# Altium PCB power-v3.4.PcbDoc (part 2 of 3) (continued)
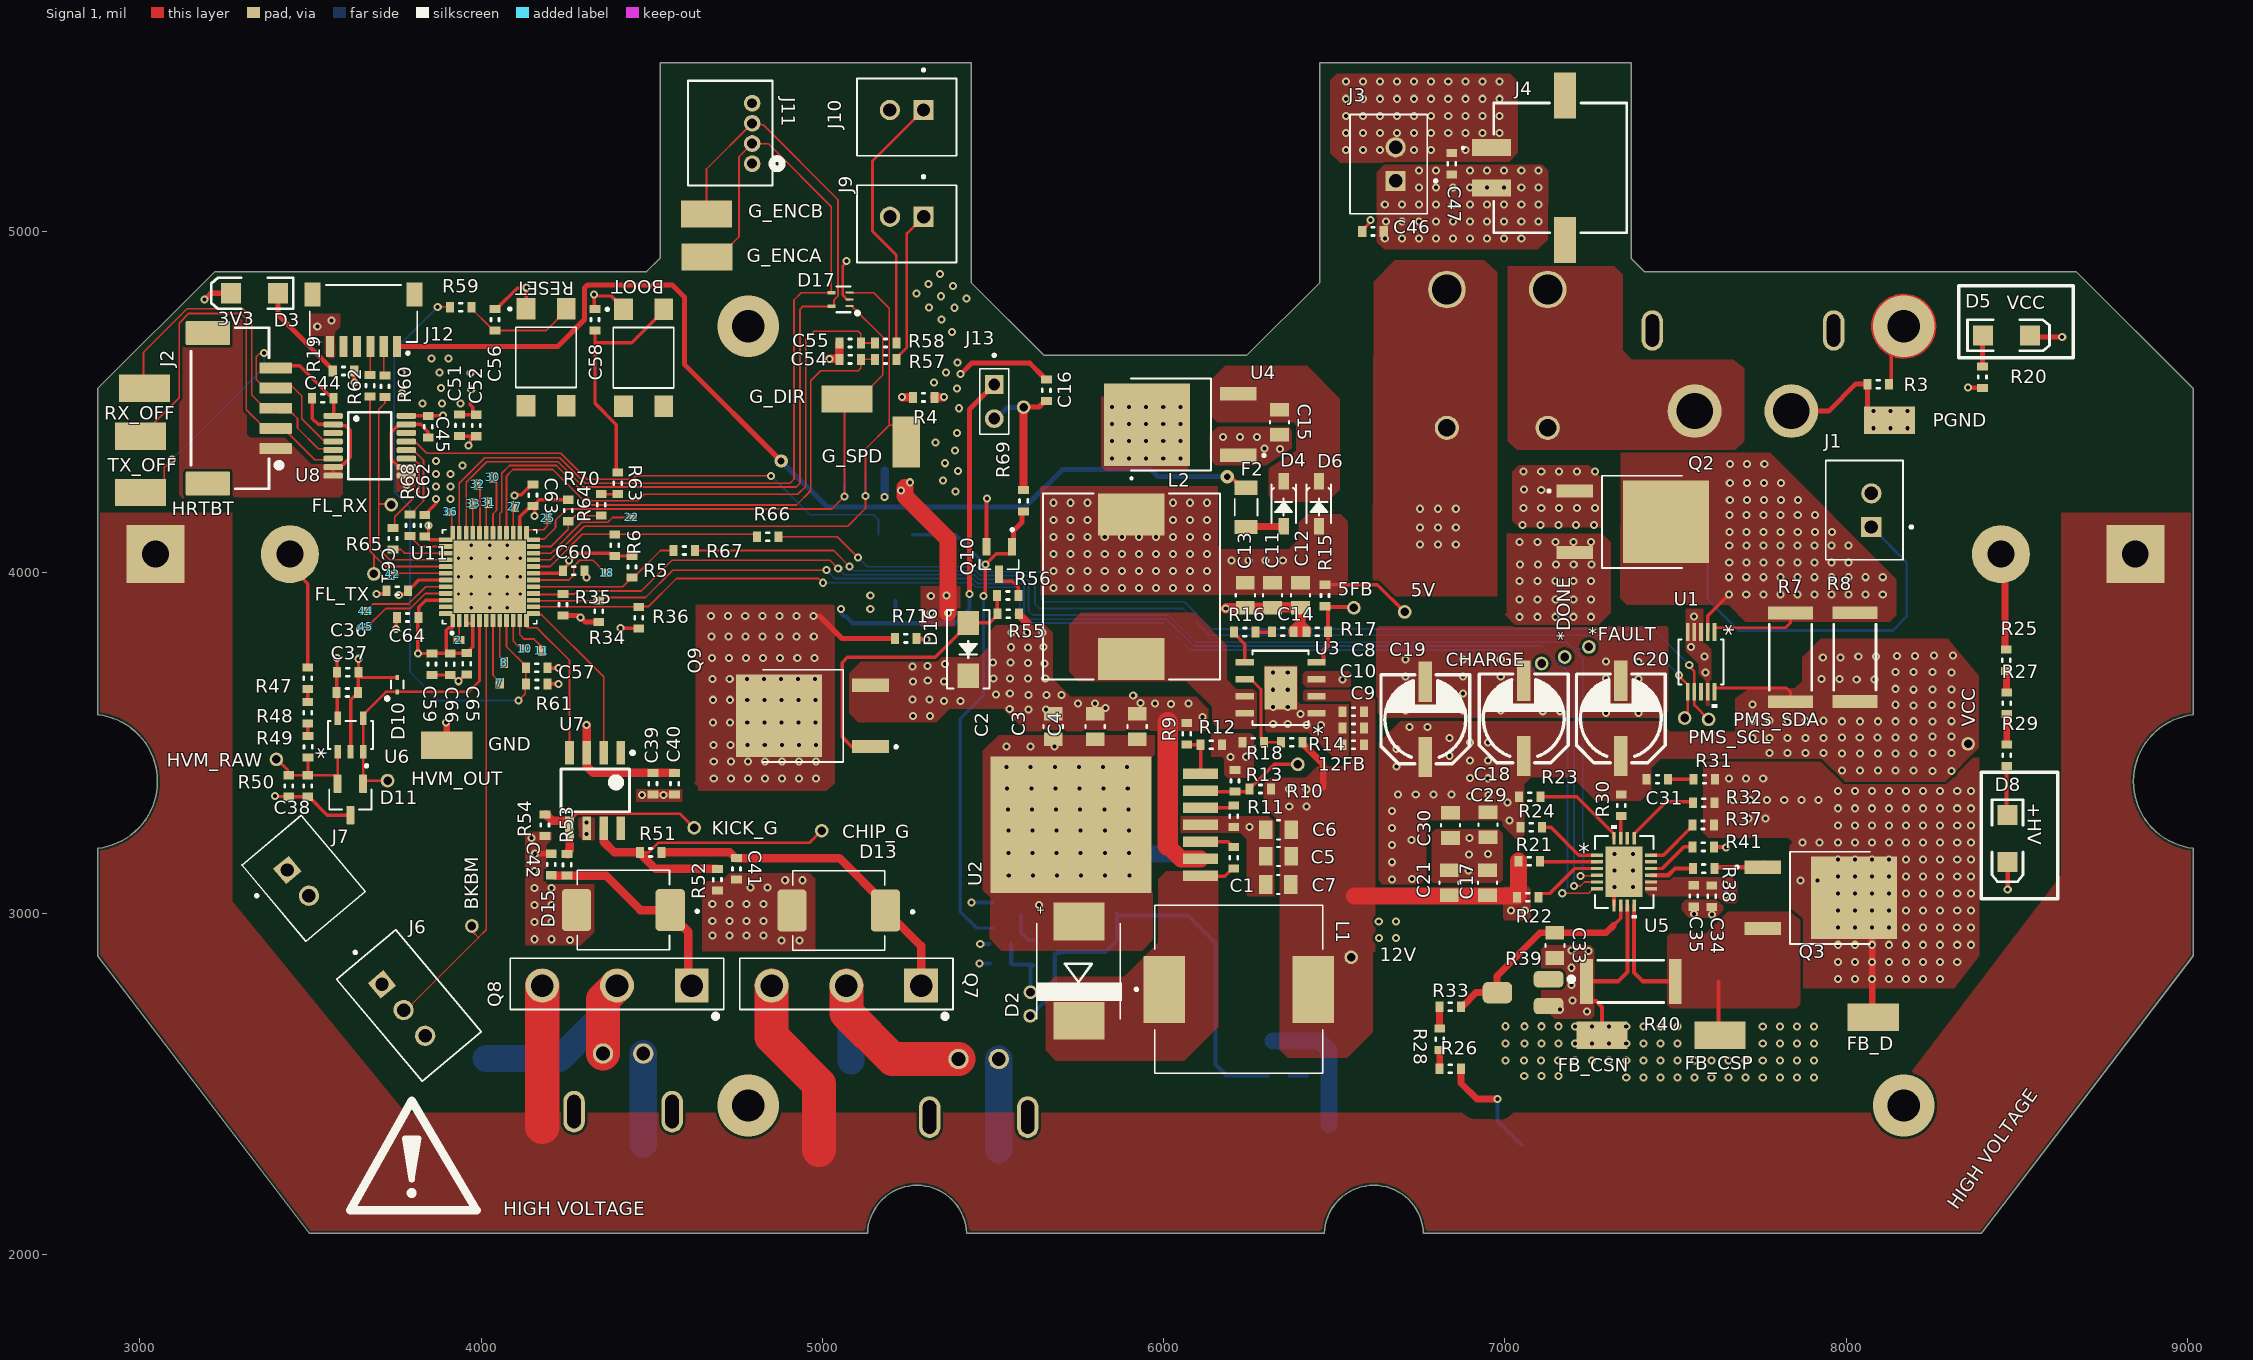
[diagram p0: Signal 1 view]
## Nets (pads, with @x,y where several pads share a name; then routed paths per layer and width w, separated by ;. In a path a pad name is that pad's centre, name@x,y a point inside that pad or via, vN(x,y) a via of type N, cw(c..) or ccw(c..) an arc to the next point about the centre after c; other vN are vias at no path point) (continued)
BREAKBEAM: BKBM.1 J6.2 U11.6 | length 1287.5
  Signal 1 w5: J6.2@3773,2717.43 3779.93,2717.43 3992.53,2930.03 ; BKBM.1@3975.38,2963.79 3975.38,2947.18 3992.53,2930.03 ; 3993,2929.57 3992.53,2930.03 ; U11.6@4015.31,3858.96 4015.31,2952.81 3992.53,2930.03
CH_GND: pad.@8169.12,4721.25 R3.2 | length 756.1
  Signal 1 w10: R3.2@8125.62,4551.54 8132.43,4558.35 8132.43,4684.57 v3(8169.12,4721.25) ; v3@8259.58,4721.25 ccw(c8169.12,4721.25) v3@8259.58,4721.25
CHARGE: CHARGE.1 R36.2 U5.6 U11.14 | length 3964
  Signal 1 w5: U11.14@4162.55,3898.92 R36.2@4461.54,3898.92 ; R36.2@4460.9,3897.66 4462.96,3899.72 4490.24,3899.72 4572.67,3982.15 4989.3,3982.15 v1(5001.88,3969.57) ; v1(7168.34,3059.72) 7245.77,3059.72 7256.7,3070.65 7256.7,3072.2 7257.61,3073.11 U5.6@7270.54,3073.11
  Signal 2 w5: v1(5001.88,3969.57) 5436.8,3969.57 5450.24,3956.14 5573.86,3956.14 5578.55,3951.45 5578.55,3866.84 5593.92,3851.47 6000.67,3851.47 6079.53,3772.61 7016.4,3772.61 7074.68,3714.33 ; CHARGE.1@7107.91,3732.99 7099.98,3732.99 7081.32,3714.33 7074.68,3714.33 ; v1(7168.34,3059.72) 7168.34,3062.23 7183.63,3077.52 7183.63,3605.38 7074.68,3714.33
CHIP: U7.2 U11.13 | length 496.3
  Signal 1 w5: U11.13@4162.55,3879.24 4165.44,3876.35 4176.96,3876.35 4359.53,3693.79 U7.2@4359.53,3471.32
CHIP_GATE: CHIP_G.1 R51.2 R52.1 U7.7 | length 966.7
  Signal 1 w8: R51.2@4465.77,3179.26 4490.59,3179.26 4519.41,3208.09 4963.35,3208.09 CHIP_G.1@4998.3,3243.03
  Signal 1 w25: U7.7@4359.53,3250.85 4359.82,3250.55 4359.82,3210.58 4391.13,3179.26 R51.2@4465.77,3179.26 4465.77,3176.71 4511.53,3130.94 R52.1@4692.73,3130.94
DONE: *DONE.1 R34.2 U5.5 U11.15 | length 3975.2
  Signal 1 w5: U11.15@4162.55,3918.61 4164.68,3916.48 R34.2@4345.12,3916.48 ; R34.2@4345.12,3917.94 4349.06,3917.94 4356.87,3925.75 4360.71,3925.75 4361.55,3926.6 4481.95,3926.6 4561.79,4006.45 v1(5012.74,4006.45) ; v1(7202.94,3080.9) 7221.51,3080.9 7233.4,3092.79 U5.5@7270.54,3092.79
  Signal 2 w5: v1(5012.74,4006.45) 5012.74,4005.98 5036.78,3981.93 5440.71,3981.93 5455,3967.64 5586.16,3967.64 5590.85,3962.95 5590.85,3879.12 5607,3862.97 6008.07,3862.97 6086.93,3784.11 7106.67,3784.11 7175.01,3715.77 ; *DONE.1@7175.49,3752.03 7175.01,3751.55 7175.01,3715.77 ; v1(7202.94,3080.9) 7202.94,3687.84 7175.01,3715.77
EN: C57.2 R59.1 R61.2 U11.9 | length 1794.4
  Signal 1 w5: v1(3873.1,4778.29) R59.1@3907.96,4778.29 ; U11.9@4074.37,3858.96 4074.37,3782.61 4130.65,3726.32 4130.65,3720.86 4130.65,3678.39 R61.2@4130.94,3678.09 ; v1(4110.25,3624.48) 4110.25,3625.42 4129.45,3644.62 R61.2@4129.45,3673.73
  Signal 1 w8: R59.1@3907.96,4778.29 R59.1@3909.19,4777.06
  Signal 2 w5: v1@3874.03,4778.29 v1(3873.1,4778.29) 3745.6,4650.79 3745.6,4236.31 3791.78,4190.13 3791.78,3707.92 3875.22,3624.48 v1(4110.25,3624.48)
FAULT: *FAULT.1 R35.2 U5.4 U11.16 | length 4006
  Signal 1 w5: U11.16@4162.55,3938.29 4165.44,3935.4 R35.2@4227.7,3935.4 ; R35.2@4230.74,3933.39 R35.2@4235.42,3928.7 ; R35.2@4240.09,3936.86 4274.03,3936.86 4282.5,3945.33 4469.74,3945.33 4559.73,4035.32 5022.53,4035.32 v1(5046.71,4011.15) ; v1(7222.33,3109.99) 7223.58,3111.24 7269.3,3111.24 U5.4@7270.54,3112.48
  Signal 2 w5: v1(5046.71,4011.15) 5064.42,3993.43 5445.48,3993.43 5459.77,3979.14 5599.73,3979.14 5604.41,3974.45 5604.41,3887.64 5616.99,3875.06 6014.83,3875.06 6094.28,3795.61 7179.83,3795.61 7207.07,3768.37 ; v1(7222.33,3109.99) 7222.33,3115.03 7228.19,3120.89 7228.19,3747.25 7207.07,3768.37 ; *FAULT.1@7246.65,3781.49 7241.11,3775.95 7214.65,3775.95 7207.07,3768.37
FB: C33.1 R33.1 R39.2 U5.8 | length 638.4
  Signal 1 w10: 7318.02,2965.18 7339.57,2986.73 U5.8@7339.57,3023.77
  Signal 1 w12: R39.2@6976.87,2768.41 R39.2@6978.52,2768.41
  Signal 1 w20: R33.1@6875.54,2728.34 6915.62,2768.41 6976.87,2768.41 6976.87,2817.36 7103.47,2943.96 C33.1@7146.65,2943.96 7296.79,2943.96 7318.02,2965.18
FLASH_RX: FL_RX.1 R60.2 U11.40 | length 697
  Signal 1 w5: R60.2@3718.49,4513.9 3718.49,4496.2 3700.57,4478.29 3700.57,4200.63 ; FL_RX.1@3730.69,4188.02 3718.09,4200.63 3700.57,4200.63 ; U11.40@3896.61,4036.72 3887.75,4036.72 3732.96,4036.72 3700.57,4069.1 3700.57,4200.63
FLASH_TX: FL_TX.1 R62.2 U11.41 | length 749.3
  Signal 1 w5: R62.2@3674.83,4515.51 3674.83,4062.28 3686.41,4050.71 ; FL_TX.1@3685.95,3995.37 3686.41,3995.82 3686.41,4050.71 ; U11.41@3896.61,4017.03 3720.08,4017.03 3686.41,4050.71
GEN_ES1_UNFILT: J9.1 R57.1 | length 451.2
  Signal 1 w8: R57.1@5216.84,4624.17 5216.84,4628.11 5247.87,4659.13 5247.87,4993.32 J9.1@5296.77,5042.23
GEN_ES2_UNFILT: J10.1 R58.1 | length 773.8
  Signal 1 w8: R58.1@5216.84,4672.13 5216.84,4929.82 5146.98,4999.68 5146.98,5205.25 J10.1@5296.67,5354.94
GENEVA_DIR: D17.1 G_DIR.1 J8.5 U11.24 | length 1691.9
  Signal 1 w5: U11.24@4162.55,4095.77 4164.38,4097.6 4185.3,4097.6 4218.4,4130.71 4218.4,4152.31 4251.73,4185.64 5027.82,4185.64 5049.08,4206.9 5049.08,4207.05 v1(5064.99,4222.96) 5064.99,4501.03 G_DIR.1@5071.76,4507.8 5106.6,4507.8 5177,4578.2 5177,4689.71 5086.55,4780.16 D17.1@5079.55,4780.16
  Signal 2 w8: v1(5064.99,4222.96) 5064.99,4258.7 5065.79,4259.5 J8.5@5065.79,4278.24
GENEVA_ENCODER_A: D17.4 G_ENCA.1 J11.2 U11.35 | length 2803.9
  Signal 1 w5: U11.35@3936.57,4116.05 3936.57,4261.42 4011.14,4335.99 4230.39,4335.99 4304.93,4261.45 4905.26,4261.45 4917.26,4273.46 4917.26,4798.29 4938.5,4819.53 D17.4@5026.55,4819.53 5026.55,5071.32 4842.21,5255.66 4795.52,5255.66 J11.2@4794.51,5256.67 4755.91,5218.07 4755.91,4983.54 4696.78,4924.42 G_ENCA.1@4661.94,4924.42
GENEVA_ENCODER_B: D17.5 G_ENCB.1 J11.3 U11.34 | length 2781.4
  Signal 1 w5: U11.34@3956.26,4116.05 3956.26,4264.27 4016.48,4324.49 4225.62,4324.49 4300.16,4249.95 4922.93,4249.95 4934.94,4261.96 4934.94,4771.21 4943.11,4779.38 5025.76,4779.38 D17.5@5026.55,4780.16 5033.55,4780.16 5034.55,4781.16 5034.55,4798.65 5046.05,4810.15 5046.05,5092.29 4826.88,5311.46 4798.77,5311.46 J11.3@4794.51,5315.72 4660.66,5181.87 G_ENCB.1@4660.66,5050.41
GENEVA_END_STOP_1: C54.1 R57.2 U11.28 | length 1669
  Signal 1 w5: U11.28@4074.37,4124.91 4074.37,4282.21 4093.65,4301.49 4209.64,4301.49 4313.68,4197.45 4924.5,4197.45 4966.54,4239.5 4966.54,4561.89 4995.16,4590.51 5105.8,4590.51 5113,4597.71 C54.1@5113,4624.17 R57.2@5153.85,4624.17
GENEVA_END_STOP_2: C55.1 R58.2 U11.29 | length 1800.9
  Signal 1 w5: U11.29@4054.68,4124.91 4054.68,4172.36 4060.28,4177.96 4060.28,4289.97 4083.3,4312.99 4220.86,4312.99 4323.89,4209.96 4459.98,4209.96 4478.56,4228.54 4927.87,4228.54 4951.15,4251.81 4951.15,4681.2 4976.79,4706.84 5105.68,4706.84 5113,4699.52 C55.1@5113,4672.13 R58.2@5153.85,4672.13
GENEVA_SPEED: D17.3 G_SPD.1 J8.4 U11.21 | length 1910.7
  Signal 1 w5: U11.21@4162.55,4036.72 4203.35,4036.72 4302.1,4135.47 5074.36,4135.47 5126.46,4187.57 v1(5126.46,4223.19) 5126.46,4361.55 5195.92,4431.02 ; D17.3@5079.55,4819.53 5150.45,4819.53 5195.92,4774.06 5195.92,4431.02 ; G_SPD.1@5246.43,4382.32 5246.43,4395.06 5210.47,4431.02 5195.92,4431.02
  Signal 2 w8: J8.4@5124.84,4278.24 5126.46,4276.62 v1(5126.46,4223.19)
GND: BOOT.1 C36.1 C37.2 C38.1 C39.1 C40.1 C45.1 C46.1 C47.1 C51.1 C52.1 C53.1 C54.2 C55.2 C56.1 C57.1 C58.1 C59.1 C60.1 C61.1 C62.1 C63.1 C64.1 C65.1 C66.1 D3.2 D10.2 D11.3 D17.2 GND.1 J3.2 J4.1 J5.9 J5.10 J6.3 J7.1 J8.3 J9.2 J10.2 J11.1 J12.6 R4.1 R36.1 R50.2 RESET.1 U6.2 U7.3 U8.9 U8.10 U8.15 U9.3 U9.4 U11.49 | length 2710.9
  Signal 1 w8: v1(5070.36,4912.26) 5070.36,4908.03 5060.05,4897.72 5060.05,4812.35 5072.55,4799.85 D17.2@5079.55,4799.85
  Signal 1 w10: v1(3396.82,3344.11) 3397.59,3343.33 3435.77,3343.33 R50.2@3436.54,3342.56 C38.1@3491.87,3342.56 3495.8,3342.56 3549.78,3288.58 D11.3@3617.23,3288.58 D11.3@3617.42,3288.77 ; U6.2@3617.42,3474.36 U6.2@3617.61,3474.55 3617.61,3576.17 3617.66,3576.22 3617.66,3626.15 3628.84,3637.33 3632.78,3637.33 3639.59,3644.14 C37.2@3639.59,3648.08 3640.18,3648.67 3640.18,3706.54 C36.1@3640.77,3707.13 C36.1@3640.83,3707.19 ; v1(3640.89,3746.85) 3640.83,3746.79 C36.1@3640.83,3707.19 ; v1(3694.18,3937.05) 3716.68,3937.05 3723.49,3943.86 C61.1@3723.49,3946.14 ; v1(3751.17,3833.92) 3752.14,3834.89 3752.14,3866.67 C64.1@3753.11,3867.64 ; D10.2@3754.72,3691.95 3652.01,3691.95 3640.83,3703.13 C36.1@3640.83,3707.19 ; U8.10@3781.03,4308.5 3777.17,4312.36 3755.34,4312.36 3736.74,4330.96 3736.74,4411.04 3751.56,4425.86 3753.7,4425.86 3761.35,4433.5 U8.15@3781.03,4433.5 3822.98,4433.5 3845.45,4411.03 C45.1@3845.45,4395.28 ; C62.1@3835.08,4168.73 3868.49,4202.14 3868.49,4206.79 3871.37,4209.68 v1@3871.37,4213.36 ; C59.1@3856.26,3699.33 C66.1@3909.65,3699.33 3913.58,3699.33 3931.89,3681.03 v1(3933.97,3681.03) 3934.27,3681.03 3954.09,3700.84 C65.1@3958.03,3700.84 ; C51.1@3937.13,4399.46 3979.84,4399.45 3975.91,4399.45 3969.1,4392.64 3969.1,4381.44 3963.18,4375.53 v1(3963.18,4371.84) ; C56.1@4041.08,4771.87 4045.02,4771.87 4105.75,4832.61 4131.04,4832.61 v1(4132.56,4834.13) 4132.56,4772.83 RESET.1@4131.63,4771.9 ; v1(4098.23,4225.46) 4100.84,4228.07 4118.48,4228.07 4148.01,4257.6 C63.1@4151.95,4257.6 ; C57.1@4195.16,3720.86 4196.5,3719.53 v1(4226.47,3719.53) ; C60.1@4303.15,4005.08 4306.17,4002.06 4306.17,3986.97 v1(4308.78,3984.36) ; C58.1@4334.04,4771.87 4331.62,4774.3 v1(4331.62,4814.36) 4335.3,4814.36 4339.81,4809.86 4382.18,4809.86 4417.37,4774.66 BOOT.1@4417.37,4770.72 ; v1(4408.14,3837.05) 4408.86,3836.34 4461.14,3836.34 R36.1@4461.85,3835.62 ; C46.1@6582.38,4999.22 6582.38,5003.15 6603.73,5024.51 6603.73,5029.52 v1(6606.34,5032.13)
  Signal 1 w15: v1(3189.35,4799.49) 3207.77,4817.91 D3.2@3266.85,4817.91 ; U8.10@3781.03,4308.5 3781.99,4307.54 v1(3781.99,4255.88)
  Signal 1 w20: v1(3897.12,3560.47) 3897.12,3559.49 3899.45,3557.16 GND.1@3899.45,3493.39
  Signal 1 w25: v1(4309.65,3553.09) 4309.65,3471.45 U7.3@4309.53,3471.32 4309.82,3471.02 4309.82,3431.18 4328.41,3412.59 C40.1@4567.16,3412.59 ; v1(5020.51,4625.73) 5049.32,4625.73 C54.2@5050.01,4625.04 ; C54.2@5050.01,4624.17 C54.2@5050.01,4625.04 ; C55.2@5050.01,4672.13 C54.2@5050.01,4625.04 ; v1(5233.93,4513.3) 5264.7,4513.3 R4.1@5265.23,4512.77
  Signal 2 w25: v1(5182.47,4220.87) 5182.47,4297.37 J8.3@5183.27,4298.17
  other v1: 5140.6,3892.67 5140.6,3932.77 3868.06,4215.2 3910.11,4215.2 3868.06,4252.04 3910.11,4252.04 3868.06,4288.89 3910.11,4288.89 3945.38,4312.98 3868.06,4325.74 5380.09,4704.11 3520.13,4720.16 3562.39,4737.77 5349.14,4740.63 5387.24,4775.43 5312.6,4776.71 5423.16,4802.25 5348.29,4809.18 5276.16,4816.62 5383.22,4838.76 5311.8,4844.87 5345.48,4874.94 6534.34,5237.87 6584.34,5237.87 6634.34,5237.87 6734.34,5237.87 6784.34,5237.87 6884.34,5237.87 6534.34,5287.87 6584.34,5287.87 6634.34,5287.87 6684.34,5287.87 6734.34,5287.87 6784.34,5287.87 6834.34,5287.87 6884.34,5287.87 6934.34,5287.87 6984.34,5287.87 6534.34,5337.87 6584.34,5337.87 6634.34,5337.87 6684.34,5337.87 6734.34,5337.87 6784.34,5337.87 6834.34,5337.87 6884.34,5337.87 6934.34,5337.87 6984.34,5337.87 6534.34,5387.87 6584.34,5387.87 6634.34,5387.87 6684.34,5387.87 6734.34,5387.87 6784.34,5387.87 6834.34,5387.87 6884.34,5387.87 6934.34,5387.87 6984.34,5387.87 6534.34,5437.87 6584.34,5437.87 6634.34,5437.87 6684.34,5437.87 6734.34,5437.87 6784.34,5437.87 6834.34,5437.87 6884.34,5437.87 6934.34,5437.87 6984.34,5437.87
  other v2: 3971.71,3896.19 4025.15,3896.19 4076.83,3896.19 3934.09,3936.63 3971.71,3936.63 4025.15,3936.63 4076.83,3936.63 4114.8,3936.63 3934.09,3987.51 3971.71,3987.51 4025.15,3987.51 4076.83,3987.51 4114.8,3987.51 3934.09,4041.04 3971.71,4041.04 4025.15,4041.04 4076.83,4041.04 4114.8,4041.04 3971.71,4079.01 4025.15,4079.01 4076.83,4079.01
GND_JETSON: C44.1 J2.1 U8.2 U8.7 U8.8 | length 343.1
  Signal 1 w10: C44.1@3505.26,4501.56 3505.26,4450.69 3522.45,4433.5 U8.2@3566.46,4433.5 3570.32,4429.64 3603.1,4429.64 3617.04,4415.7 3617.04,4337.24 3595.93,4316.14 3593.79,4316.14 3586.15,4308.5 U8.7@3566.46,4308.5 U8.8@3566.46,4283.5
HEARTBEAT: U8.13 U9.6 | length 1530.7
  Signal 1 w5: U8.13@3781.03,4383.5 3785.62,4378.91 3811.31,4378.91 3840.72,4349.49 4233.15,4349.49 4309.69,4272.95 4443,4272.95 4452.97,4282.92 v1(4850.22,4282.92)
  Signal 2 w5: v1(4850.22,4282.92) 4963.93,4169.21 5149.11,4169.21 5164.56,4153.76 5164.56,4110.53 U9.6@5164.91,4110.19
HV-SENSE: D10.1 D11.1 HVM_OUT.1 U6.3 U6.4 U11.5 | length 836.2
  Signal 1 w8: D11.1@3654.63,3380.31 3654.63,3381.91 D11.1@3654.82,3382.09 ; HVM_OUT.1@3725.96,3389.72 3662.44,3389.72 D11.1@3654.82,3382.09 ; U11.5@3995.63,3858.96 3995.63,3681.82 3963.76,3649.95 D10.1@3754.72,3649.95 3721.4,3649.95 3655.01,3583.55 U6.4@3655.01,3572.55 U6.3@3655.01,3474.55 3654.82,3474.36 D11.1@3654.82,3382.09
HV_GATE: R38.2 U5.13 | length 130.9
  Signal 1 w12: U5.13@7428.28,3112.48 7479.05,3112.48 7498.61,3132.04 R38.2@7551.08,3132.04
IO0: R64.1 R70.1 U11.23 | length 241.1
  Signal 1 w5: U11.23@4162.55,4076.09 4205.43,4076.09 4255.68,4126.34 R70.1@4255.68,4149.86 4259.62,4149.86 4276.11,4166.35 4352.42,4166.35 R64.1@4352.49,4166.28
JETSON_HEARTBEAT: HRTBT.1 J2.4 U8.4 | length 1021.1
  Signal 1 w5: HRTBT.1@3001.77,4233.85 3036.61,4233.85 3071.57,4268.81 3071.57,4308.22 v1(3094.51,4331.16) ; v1(3364.51,4642.44) 3361.9,4639.83 3349.33,4639.83 3341.62,4632.12 3341.62,4565.26 3366.85,4540.03 J2.4@3398.34,4540.03 3398.34,4546.3 3445.17,4546.3 3474.75,4516.71 3474.75,4450.43 3537.82,4387.36 3562.61,4387.36 U8.4@3566.46,4383.5
  Signal 2 w5: v1(3094.51,4331.16) 3364.51,4601.15 v1(3364.51,4642.44)
JETSON_RX: R68.2 U8.12 | length 238.7
  Signal 1 w5: U8.12@3781.03,4358.5 3800.95,4358.5 3809.59,4349.86 3810.09,4349.86 3831.58,4328.37 3831.58,4208.98 R68.2@3791.78,4169.18
JETSON_RX_OFFBRD: J2.3 RX_OFF.1 U8.5 | length 1054.5
  Signal 1 w5: RX_OFF.1@3011.04,4553.1 3011.04,4645.21 3138.23,4772.39 3301.6,4772.39 3328.12,4745.88 3328.12,4519.7 3366.85,4480.97 J2.3@3398.34,4480.97 ; J2.3@3398.34,4476.49 3407.11,4467.72 3445.36,4467.72 3462.1,4450.98 3462.1,4423.01 3522.92,4362.2 3562.77,4362.2 U8.5@3566.46,4358.5
  Signal 1 w10: RX_OFF.1@2979.92,4546.71 RX_OFF.1@3005.24,4521.39
JETSON_TX: R65.1 U8.11 | length 248.1
  Signal 1 w5: 3746.94,4142.46 3746.94,4162.83 3818.46,4234.35 3818.46,4316.48 3810.09,4324.86 3809.59,4324.86 3800.95,4333.5 U8.11@3781.03,4333.5
JETSON_TX_OFFBRD: J2.2 TX_OFF.1 U8.6 | length 1178.7
  Signal 1 w5: TX_OFF.1@3002.55,4398.77 3115.34,4511.57 3115.34,4730.41 3143.82,4758.89 3296.01,4758.89 3311.99,4742.92 3311.99,4476.78 3366.85,4421.92 J2.2@3398.34,4421.92 ; J2.2@3398.34,4428.19 3415.01,4428.19 3512.96,4330.24 3563.2,4330.24 U8.6@3566.46,4333.5
KICK: U7.4 U11.12 | length 447
  Signal 1 w5: U11.12@4133.42,3850.1 4133.42,3840.71 4136.31,3837.82 4163.67,3837.82 4259.53,3741.97 U7.4@4259.53,3471.32
KICK_GATE: KICK_G.1 R53.2 R54.1 U7.5 | length 573.5
  Signal 1 w8: U7.5@4259.53,3250.85 4259.53,3271.31 4259.53,3272.5 4279.82,3292.8 4583.39,3292.8 KICK_G.1@4624.44,3251.74
  Signal 1 w25: R54.1@4187.22,3291.05 4189.78,3291.05 4209.23,3271.6 4259.23,3271.6 U7.5@4259.53,3271.31 ; R53.2@4252.25,3174.38 4254.81,3174.38 4255.5,3175.06 4255.5,3181.56 4259.53,3185.59 U7.5@4259.53,3250.85
LT_CSP: FB_CSP.1 Q3.3 R40.2 U5.10 | length 484
  Signal 1 w12: U5.10@7378.94,3023.77 7378.94,2828.01 7405.22,2801.73 R40.2@7499.49,2801.73 ; 7626.15,2799.11 7626.15,2647.89 FB_CSP.1@7630.08,2643.97
Net2_1: 2.1 U11.2 | length 41.7
  Signal 1 w5: 2.1@3934.88,3809.52 3936.57,3811.22 U11.2@3936.57,3850.1 ; 2.1@3935.06,3801.67 2.1@3935.35,3801.38
Net7_1: 7.1 U11.7 | length 192.2
  Signal 1 w5: U11.7@4035,3858.96 4035,3698.71 4054.82,3678.89 7.1@4054.82,3674.95
Net8_1: 8.1 U11.8 | length 128.6
  Signal 1 w5: U11.8@4054.68,3858.96 4054.68,3752.65 4067.64,3739.69 8.1@4067.64,3735.76
Net10_1: 10.1 U11.10 | length 94.1
  Signal 1 w5: U11.10@4094.05,3850.1 4094.05,3798.76 4109.09,3783.72 4120.92,3783.72 10.1@4127.73,3776.91
Net11_1: 11.1 U11.11 | length 111.6
  Signal 1 w5: U11.11@4113.74,3850.1 4113.74,3817.91 4127.11,3804.53 4155.27,3804.53 11.1@4178.14,3781.66
Net18_1: 18.1 U11.18 | length 259.3
  Signal 1 w5: U11.18@4162.55,3977.66 4257.47,3977.66 4271.66,3991.84 4271.66,4017.25 4289.54,4035.14 4327.93,4035.14 4364.18,3998.89 18.1@4368.12,3998.89
Net22_1: 22.1 U11.22 | length 322.4
  Signal 1 w5: U11.22@4162.55,4056.4 4204.91,4056.4 4295.47,4146.97 4371.34,4146.97 4385.36,4160.99 22.1@4441.61,4160.99
Net25_1: 25.1 U11.25 | length 88.8
  Signal 1 w5: U11.25@4133.42,4124.91 4183.44,4124.91 4194.4,4135.87 4194.4,4158.5 25.1@4194.84,4158.94
Net27_1: 27.1 U11.27 | length 70.2
  Signal 1 w5: U11.27@4094.05,4124.91 4094.05,4187.64 27.1@4099.31,4192.9
Net30_1: 30.1 U11.30 | length 162.4
  Signal 1 w5: 30.1@4034.95,4278.66 4034.95,4274.73 4045.4,4264.28 4045.4,4181.67 4035,4171.27 U11.30@4035,4124.91
Net31_1: 31.1 U11.31 | length 82.8
  Signal 1 w5: U11.31@4015.31,4124.91 4015.31,4198.73 31.1@4021.65,4205.06
Net32_1: 32.1 U11.32 | length 144.7
  Signal 1 w5: 32.1@3988.58,4267.69 32.1@3994.03,4262.23 ; 32.1@3990.01,4258.58 3996.76,4251.83 3996.76,4126.05 U11.32@3995.63,4124.91
Net33_1: 33.1 U11.33 | length 77.2
  Signal 1 w5: U11.33@3975.94,4124.91 3975.94,4201.04 33.1@3976.69,4201.8
Net36_1: 36.1 U11.36 | length 55.4
  Signal 1 w5: 36.1@3909.52,4177.3 3914.11,4172.71 3914.11,4127.68 U11.36@3916.89,4124.91
Net42_1: 42.1 U11.42 | length 292.1
  Signal 1 w5: 42.1@3734.29,4001.41 42.1@3750.33,3985.37 ; 42.1@3749.26,3997.67 3753.05,3997.67 U11.42@3883.96,3997.67 ; 42.1@3753.05,3997.35 3883.96,3997.35 U11.42@3887.75,3997.35
Net44_1: 44.1 U11.44 | length 263.6
  Signal 1 w5: 44.1@3662.65,3886.51 3683.47,3907.33 3787.18,3907.33 3837.83,3957.98 U11.44@3896.61,3957.98
Net45_1: 45.1 U11.45 | length 274.6
  Signal 1 w5: 45.1@3662.65,3840.29 3666.59,3840.29 3720.61,3894.32 3792.58,3894.32 3836.55,3938.29 U11.45@3896.61,3938.29
NetAD_D_1: AD_D.1 D9.C Q4.1 Q5.3 R44.1 | length 1334.1
  Signal 2 w12: AD_D.1@5609.09,2700.41 5681.26,2772.58 5681.26,2879.83 5686.87,2885.44 Q5.3@5698.86,2885.44 ; Q5.3@5701.67,2888.25 5830.36,2888.25 5863.07,2920.97 D9.C@5863.07,3001.34 5869.91,2994.5 Q4.1@6036.78,2994.5 6071.43,2994.5 6152.37,2913.56 6152.37,2557.56 6181.86,2528.07 6181.86,2525.92 R44.1@6305.91,2525.92
NetAD_VCC_1: AD_VCC.1 Q5.1 R45.1 R46.2 | length 206.5
  Signal 2 w12: R45.1@5552.99,2910.8 5553.8,2909.99 5553.8,2854.44 R46.2@5554.61,2853.63 5557.41,2850.83 5615.35,2850.83 Q5.1@5618.15,2848.04 5615.78,2848.04 5610.17,2842.43 AD_VCC.1@5610.17,2769.9
NetBOOT_2: BOOT.2
NetBOOT_3: BOOT.3 C58.2 R63.2 | length 681.9
  Signal 1 w10: C58.2@4334.04,4708.88 4334.04,4494.83 4396.69,4432.19 4396.69,4295.88 R63.2@4400.31,4292.26 ; 4340.68,4672.42 4441.12,4672.42 4535.48,4766.79 BOOT.3@4535.48,4770.72
NetBOOT_4: BOOT.4
NetC1_1: C1.1 D2.C L1.1 U2.1 | length 107.2
  Signal 1 w10: U2.1@6108.08,3110.5 6108.95,3109.63 6179.28,3109.63 6201.72,3132.07 C1.1@6205.65,3132.07
NetC14_2: C14.2 R16.2 | length 47.9
  Signal 1 w10: R16.2@6269.71,3825.02 6316.62,3825.02 C14.2@6317.34,3825.74
NetC15_1: C15.1 D4.C D6.C U4.3
NetC31_1: C31.1 R31.1 | length 74.8
  Signal 1 w10: C31.1@7478.88,3393.51 7553.37,3393.51 R31.1@7553.6,3393.74
NetC38_2: C38.2 D11.2 HVM_RAW.1 R49.1 R50.1 U6.1 | length 371.2
  Signal 1 w8: HVM_RAW.1@3401.17,3452.95 3433.5,3420.62 3433.5,3408.59 R50.1@3436.54,3405.55 C38.2@3491.87,3405.55 ; R49.1@3493.18,3457.07 3493.18,3406.87 C38.2@3491.87,3405.55 ; U6.1@3580.21,3474.55 3580.02,3474.36 3580.02,3380.5 D11.2@3579.83,3380.31 3579.83,3395.66 3569.94,3405.55 C38.2@3491.87,3405.55
NetC41_2: C41.2 D13.C Q7.1 R51.1 | length 1001.4
  Signal 1 w25: R51.1@4528.94,3179.08 R51.1@4528.76,3179.26 4729.45,3179.26 4745.92,3162.8 C41.2@4748.48,3162.8 5050.26,3162.8 5185.45,3027.62 D13.C@5185.45,3009.11 5289.42,2905.13 Q7.1@5289.42,2789.02
NetC42_2: C42.2 D15.C Q8.1 R53.1 | length 635.2
  Signal 1 w25: C42.2@4213.21,3112.2 4215.77,3112.2 4216.61,3111.36 4261.25,3111.36 4366.26,3111.36 4467.04,3010.58 D15.C@4554.23,3010.58 4554.23,2992.07 4584.64,2961.66 4592.54,2961.66 4607.18,2947.01 4607.18,2799.36 Q8.1@4617.33,2789.21
NetC53_2: C53.2 J13.1 U9.2 | length 1176.3
  Signal 1 w15: v1(5431.25,3936.43) 5431.25,4477.81 J13.1@5505,4551.56
  Signal 2 w12: v1(5054.72,3892.07) 5056.94,3889.85 5056.94,3878.44 5062.75,3872.63 5067.38,3872.63 5089.02,3851 5204.06,3851 ; U9.2@5214.91,3916.19 5214.91,3861.84 5204.06,3851 ; v1(5431.25,3936.43) 5431.25,3893.18 5389.06,3851 5204.06,3851
NetC56_2: C56.2 R59.2 RESET.3 | length 336.5
  Signal 1 w5: R59.2@3972.18,4777.06 3972.18,4773.12 4028.61,4716.69 4033.27,4716.69 C56.2@4041.08,4708.88 4190.66,4708.88 4249.74,4767.96 RESET.3@4249.74,4771.9
NetD1_1: D1.1 Q1.3 Q2.3 R2.1
  other v1: 7043.66,3869.91 7096.05,3869.91 7148.43,3869.91 7200.82,3869.91 7253.2,3869.91 7043.66,3920.43 7096.05,3920.43 7148.43,3920.43 7200.82,3920.43 7253.2,3920.43 7043.66,3975.07 7096.05,3975.07 7148.43,3975.07 7200.82,3975.07 7253.2,3975.07 7044.88,4023.12 7097.26,4023.12 7149.65,4023.12 7202.03,4023.12 7254.42,4023.12 7043.66,4089 7096.05,4089 7148.43,4089 7200.82,4089 7253.2,4089
NetD1_2: D1.2 Q1.1 Q2.1 R1.1
  other v1: 7052.01,4139.26 7104.39,4139.26 7156.78,4139.26 7209.16,4139.26 7261.55,4139.26 7054.46,4188.82 7106.85,4188.82 7159.23,4188.82 7211.62,4188.82 7264,4188.82 7106.81,4241.78 7056.49,4242.66 7054.47,4296.07 7106.85,4296.07 7159.24,4296.07 7211.62,4296.07 7264.01,4296.07
NetD3_1: D3.1 R19.1 | length 294.4
  Signal 1 w15: D3.1@3404.64,4817.91 3404.64,4754.83 3565.41,4594.06 R19.1@3565.41,4590.12
NetD4_A: D4.A F2.2 | length 110.9
  Signal 1 w20: F2.2@6242.14,4133.04 6243.37,4134.27 6350.74,4134.27 D4.A@6351.97,4135.5
NetD5_1: D5.1 R20.1 | length 91.5
  Signal 1 w8: D5.1@8399.58,4692.73 D5.1@8401.46,4694.62
  Signal 1 w14: R20.1@8399.58,4603.91 D5.1@8399.58,4692.73
NetD7_IN: D7.3 T1.1
NetD8_1: D8.1 R29.1 | length 141.4
  Signal 1 w12: D8.1@8470.78,3291.05 R29.1@8470.78,3432.47
NetD12_2: D12.2 P2.2 Q7.2 | length 1979.3
  Signal 1 w100: Q7.2@5070.53,2789.02 5070.53,2709.21 5205.77,2573.96 P2.2@5399.24,2573.96
  Ground w59.06: Q7.2@5070.53,2789.02 5070.53,2710.23 5206.8,2573.96 P2.2@5399.24,2573.96
  Power w100: Q7.2@5070.53,2789.02 5070.53,2710.23 5206.8,2573.96 P2.2@5399.24,2573.96
  Signal 2 w78.74: Q7.2@5070.53,2789.02 5070.53,2695.83 5192.39,2573.96 P2.2@5399.24,2573.96 ; D12.2@5084.06,2567.8 5084.06,2682.29
NetD14_2: D14.2 P3.2 Q8.2 | length 1266.6
  Signal 1 w100: P3.2@4357.29,2589.89 4357.29,2748.06 Q8.2@4398.44,2789.21
  Ground w15: Q8.2@4398.44,2769.53 4398.44,2770.66 Q8.2@4398.44,2789.21
  Ground w59.06: P3.2@4357.29,2590.11 4357.29,2737.19 4390.75,2770.66 Q8.2@4398.44,2770.66
  Power w15: Q8.2@4398.44,2769.53 Q8.2@4398.44,2789.21
  Power w100: P3.2@4357.29,2589.89 4357.29,2728.38 Q8.2@4398.44,2769.53
  Signal 2 w78.74: D14.2@4014.06,2575.97 4230.46,2575.97 4357.29,2702.8 ; P3.2@4357.29,2589.89 4357.29,2702.8 ; Q8.2@4398.44,2789.21 4357.29,2748.06 4357.29,2702.8
NetD16_2: D16.2 Q9.1 R55.2 R56.1 | length 877
  Signal 1 w10: Q9.1@5131.45,3488.2 5087.35,3488.2 5057.94,3517.61 5057.94,3735.1 5073.74,3750.9 5330.83,3750.9 5427.73,3847.8 D16.2@5427.73,3852.14 5490.48,3852.14 5513.35,3875 R55.2@5513.35,3878.94 5512.75,3879.53 5512.75,3931.84 R56.1@5512.16,3932.43
NetF1_1: F1.1 F1.2 Q1.2
  other v1: 6751.57,4081.34 6803.96,4081.34 6856.34,4081.34 6751.57,4131.86 6803.96,4131.86 6856.34,4131.86 6751.57,4186.5 6803.96,4186.5 6856.34,4186.5
NetFB_D_1: FB_D.1 Q3.2 R31.2 R32.1 R37.1 T1.7 T1.8 T1.9 T1.10 | length 342.3
  Signal 1 w20: v1(8075.91,2908.74) v1(8075.91,2958.74) ; v1@8076.61,2857.07 8076.61,2861.99 8076.66,2862.05 8076.66,2907.01 8076.61,2907.07 8076.61,2907.93 v1@8076.66,2907.99 ; v1@8076.66,2855.64 8076.66,2809.66 8076.61,2809.6 8076.61,2699.17 FB_D.1@8079.76,2696.01 ; Q3.2@8079.76,2958.74 8079.76,2977.09 8079.83,2977.16 Q3.2@8079.83,3039.05
  other v1: 7975.91,2808.74 8025.91,2808.74 8075.91,2808.74 8125.91,2808.74 8175.91,2808.74 8225.91,2808.74 8275.91,2808.74 7975.91,2858.74 8025.91,2858.74 8075.91,2858.74 8125.91,2858.74 8175.91,2858.74 8225.91,2858.74 8275.91,2858.74 8325.91,2858.74 7975.91,2908.74 8025.91,2908.74 8125.91,2908.74 8175.91,2908.74 8225.91,2908.74 8275.91,2908.74 8325.91,2908.74 8365.91,2908.74 7975.91,2958.74 8025.91,2958.74 8125.91,2958.74 8175.91,2958.74 8225.91,2958.74 8275.91,2958.74 8325.91,2958.74 8365.91,2958.74 7975.91,3008.74 8025.91,3008.74 8075.91,3008.74 8125.91,3008.74 8175.91,3008.74 8225.91,3008.74 8275.91,3008.74 8325.91,3008.74 8365.91,3008.74 7975.91,3058.74 8025.91,3058.74 8075.91,3058.74 8125.91,3058.74 8175.91,3058.74 8225.91,3058.74 8275.91,3058.74 8325.91,3058.74 8365.91,3058.74 7866.69,3097.32 7916.69,3097.32 7975.91,3108.74 8025.91,3108.74 8075.91,3108.74 8125.91,3108.74 8175.91,3108.74 8225.91,3108.74 8275.91,3108.74 8325.91,3108.74 8365.91,3108.74 7975.91,3158.74 8025.91,3158.74 8075.91,3158.74 8125.91,3158.74 8175.91,3158.74 8225.91,3158.74 8275.91,3158.74 8325.91,3158.74 8365.91,3158.74 7872.47,3208.87 7922.47,3208.87 7975.91,3208.74 8025.91,3208.74 8075.91,3208.74 8125.91,3208.74 8175.91,3208.74 8225.91,3208.74 8275.91,3208.74 8325.91,3208.74 8365.91,3208.74 7975.91,3258.74 8025.91,3258.74 8075.91,3258.74 8125.91,3258.74 8175.91,3258.74 8225.91,3258.74 8275.91,3258.74 8325.91,3258.74 8365.91,3258.74 7714.16,3279.35 7764.16,3279.35 7975.91,3308.74 8025.91,3308.74 8075.91,3308.74 8125.91,3308.74 8175.91,3308.74 8225.91,3308.74 8275.91,3308.74 8325.91,3308.74 8365.91,3308.74 7668.97,3332.61 7718.97,3332.61 7768.97,3332.61 7818.97,3332.61 7868.97,3332.61 7918.97,3332.61 7975.91,3358.74 8025.91,3358.74 8075.91,3358.74 8125.91,3358.74 8175.91,3358.74 8225.91,3358.74 8275.91,3358.74 8325.91,3358.74 8365.91,3358.74 7657.3,3396.38 7707.3,3396.38 7757.3,3396.38
NetJ1_1: J1.1 R1.2 R2.2 | length 1219.8
  Signal 2 w8: R1.2@7559.6,4180.36 R2.2@7559.6,4127.7 7563.53,4127.7 7571.34,4119.89 7571.34,4115.95 7595,4092.3 7595,3919.42 7684.48,3829.94 8137.07,3829.94 8177.69,3870.56 8177.69,4029.59 J1.1@8074.24,4133.04
NetJ5_S1: J5.S1
NetJ5_S2: J5.S2
NetJ12_2: J12.2 R60.1 | length 86.7
  Signal 1 w5: R60.1@3714.87,4580.5 J12.2@3714.87,4662.14
  Signal 1 w8: R60.1@3714.87,4580.5 R60.1@3718.49,4576.89
NetJ12_3: J12.3 R62.1 | length 83.9
  Signal 1 w5: R62.1@3674.83,4578.51 3675.5,4579.18 J12.3@3675.5,4662.14
NetJ12_4: J12.4
NetJ12_5: J12.5
NetJ12_S1: J12.S1
NetJ12_S2: J12.S2
NetL2_2: L2.2 U3.7 U3.8
NetPMS_SCL_1: PMS_SCL.1 R67.1 U1.6 | length 3220.5
  Signal 1 w5: R67.1@4627.07,4064.09 5033.09,4064.09 v1(5079.82,4017.36)
  Signal 1 w8: v1(7510.71,3698.55) 7510.71,3696.17 7535.84,3671.03 7535.84,3590.7 7527.03,3581.89 PMS_SCL.1@7527.03,3573.23
  Signal 2 w5: v1(5079.82,4017.36) 5092.25,4004.93 5450.24,4004.93 5464.53,3990.64 5618.67,3990.64 5623.36,3985.95 5623.36,3907.36 5636.63,3894.09 6055.46,3894.09 6133.67,3815.88 7393.39,3815.88 v1(7510.71,3698.55)
NetPMS_SDA_1: PMS_SDA.1 R66.1 U1.7 | length 3052
  Signal 1 w5: R66.1@4872.08,4104.19 5044.09,4104.19 v1(5105.03,4043.25)
  Signal 1 w8: v1(7540.53,3728.63) 7540.53,3724.98 7555.54,3709.97 7555.54,3610.75 PMS_SDA.1@7597.05,3569.25
  Signal 2 w5: v1(5105.03,4043.25) 5131.85,4016.43 5455,4016.43 5469.29,4002.14 5637.21,4002.14 5641.89,3997.45 5641.89,3920.33 5648.72,3913.51 6060.93,3913.51 6140.22,3834.22 7434.95,3834.22 v1(7540.53,3728.63)
NetQ3_1: Q3.1 R38.1 | length 151.5
  Signal 1 w12: R38.1@7614.07,3132.04 7618.01,3135.97 7743.65,3135.97 Q3.1@7758.03,3150.36
NetQ4_D: Q4.2 R43.1
NetQ5_2: Q5.2 Q6.3 | length 95.5
  Signal 2 w12: Q6.3@5582.41,2995.37 5582.41,2944.6 5604.17,2922.84 Q5.2@5618.15,2922.84